# Altium PCB LimePSB-RPCM_1v4.PcbDoc (part 10 of 12)
Units mm, origin at the board's own origin, x right, y up, seen from the top; angles counter-clockwise.
Board outline 170 x 110 mm, 6 copper layers (Top, L2, L3, L4, L5, Bottom), stack 1.583 mm thick; 1007 components, 587 nets, 4215 pads, 1928 vias.
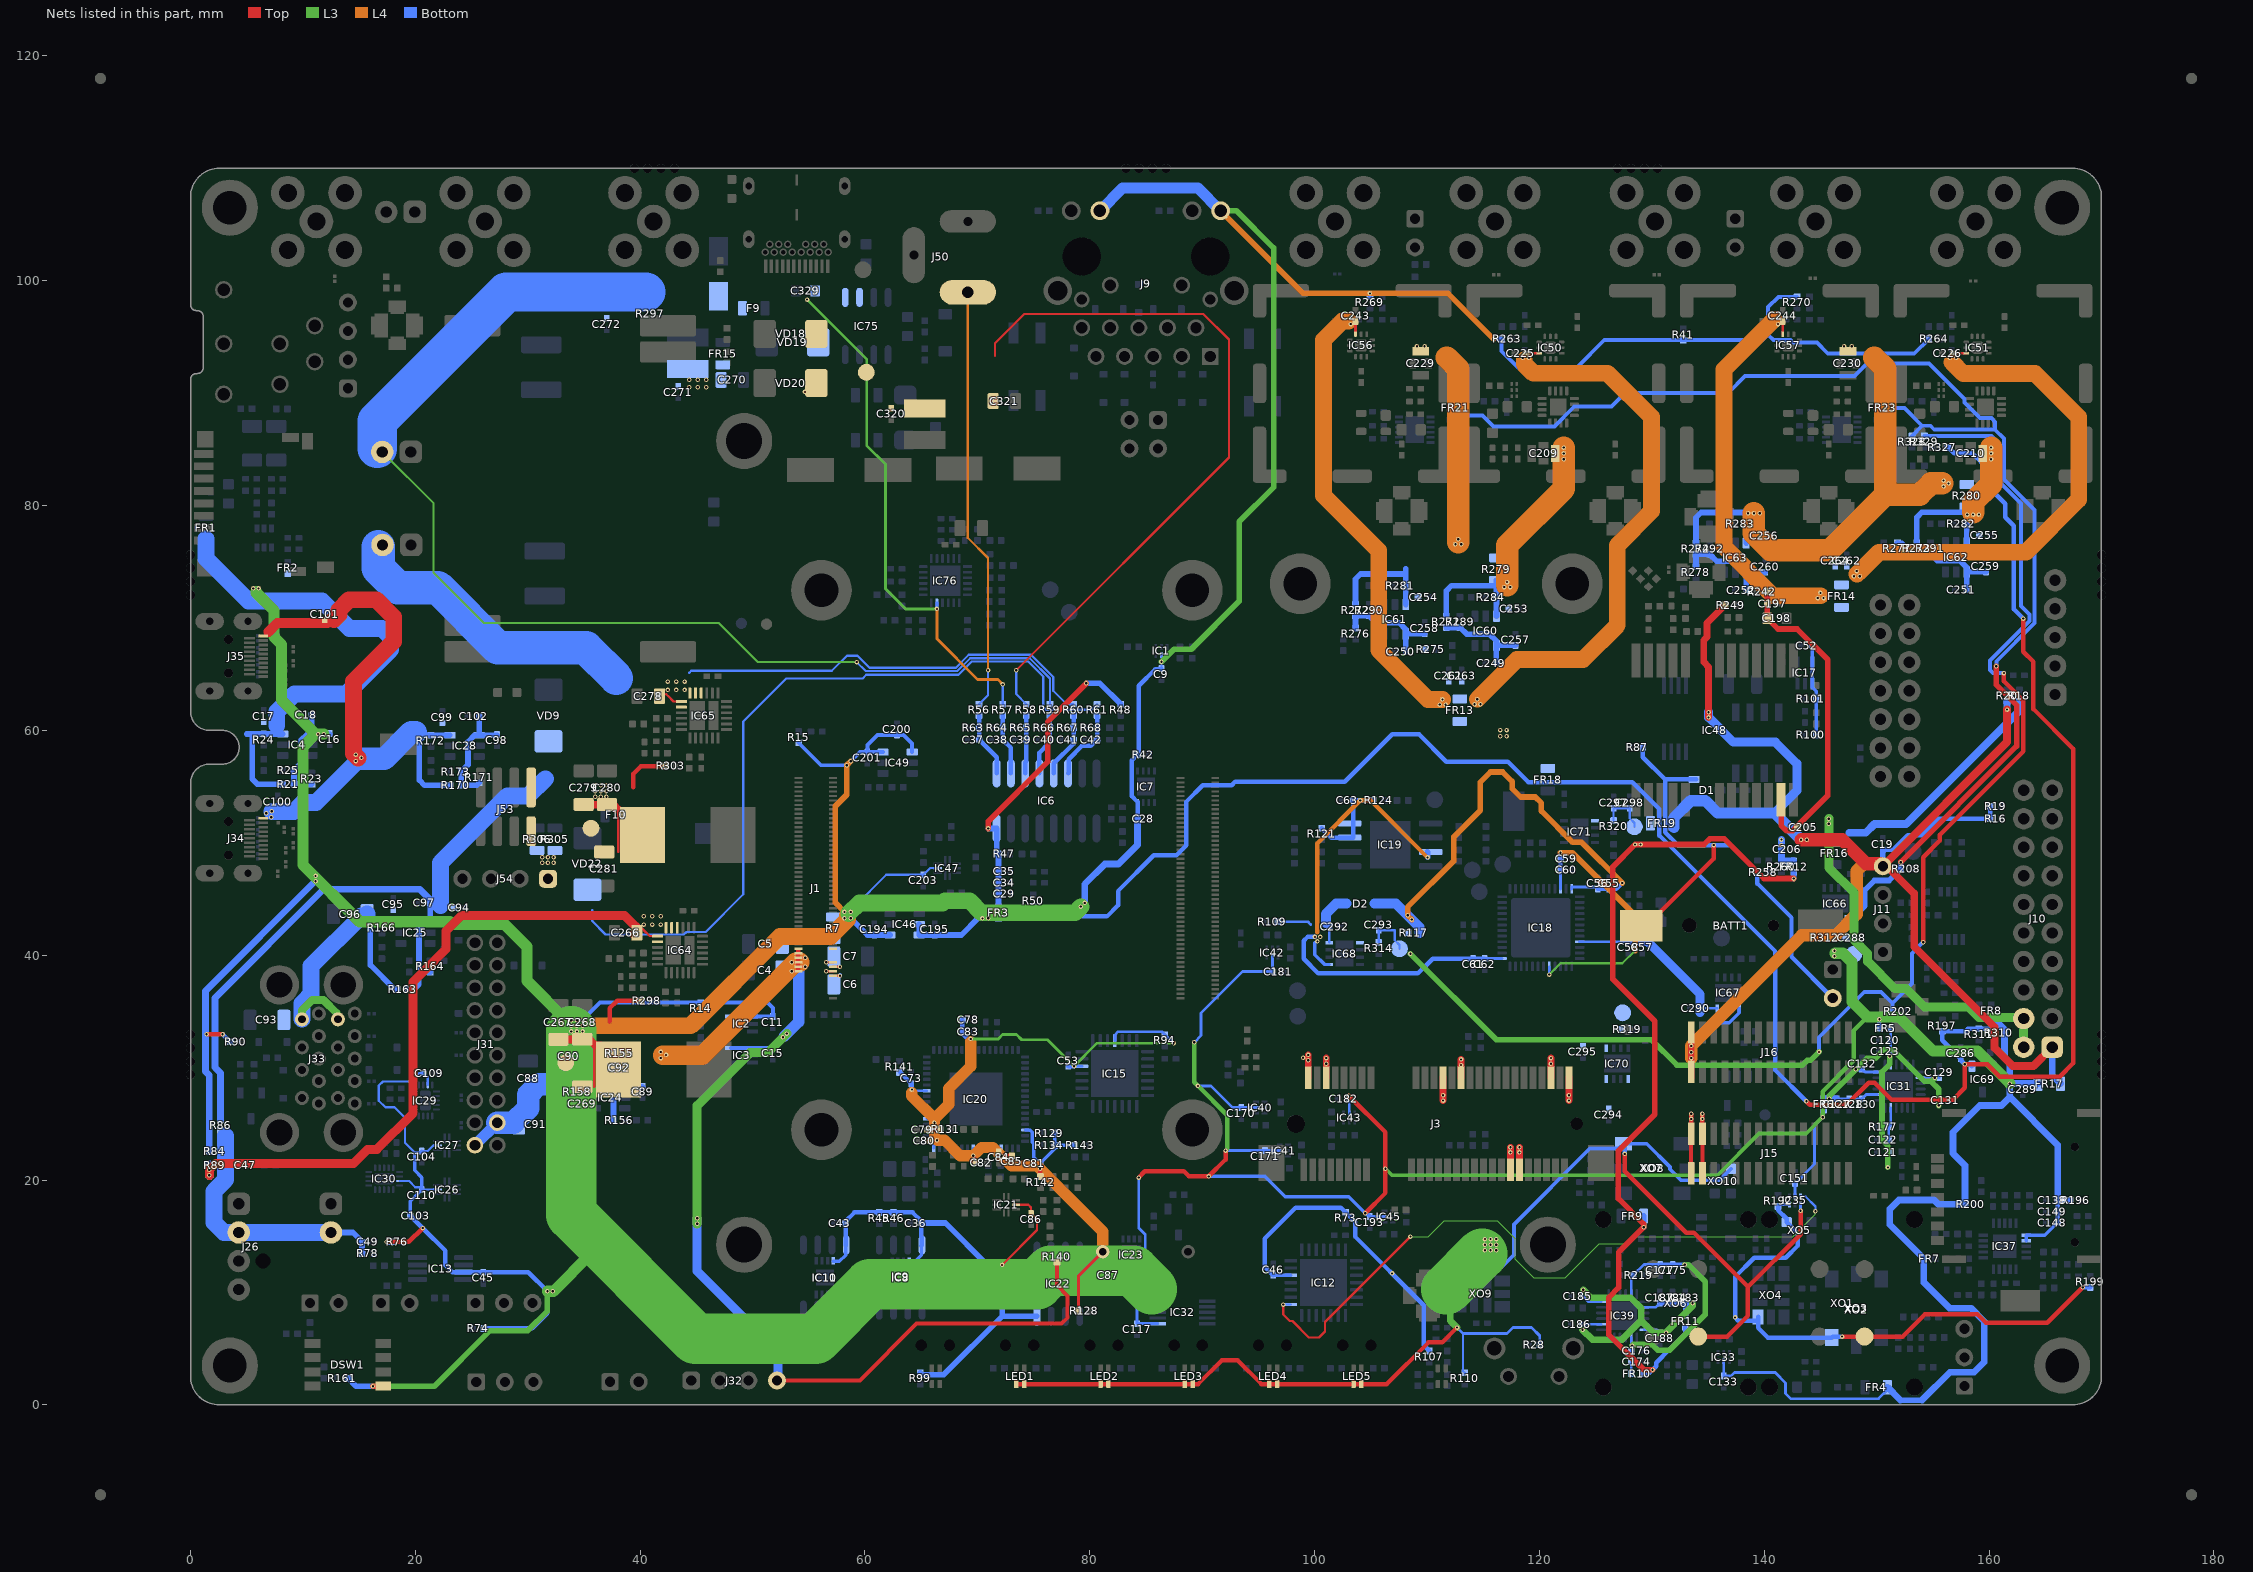
[diagram p14: the nets of this part, all layers, seen from the top]

## Via types
v1: diameter 0.4, hole 0.2, Top to Bottom, tented both sides, 1904 vias
v2: diameter 0.5, hole 0.2, Top to Bottom, tented both sides, 24 vias

## Nets (pads, with @x,y where several pads share a name; then routed paths per layer and width w, separated by ;. In a path a pad name is that pad's centre, name@x,y a point inside that pad or via, vN(x,y) a via of type N, cw(c..) or ccw(c..) an arc to the next point about the centre after c; other vN are vias at no path point) (continued)
VCC1P5: C295.2 IC70.1 J3.6 J3.28 J3.48 R319.2 TP19.1 | length 5.1
  Top w0.6: J3.6@101.025,29.1 v1(101.025,30.35) v1(101.025,30.85) ; J3.28@113.025,29.1 v1(113.025,30.225) v1(113.025,30.725) ; J3.48@121.025,29.1 v1(121.025,30.35) v1(121.025,30.85)
VCC1P8_RPI: C6.2 J1.88 J1.90 | length 1.3
  Top w0.2: v1(56.555,38.575) J1.88@57.165,38.575 ; J1.90@57.165,38.175 v1(57.775,38.175)
  Bottom w0.35: v1(57.775,38.175) C6.2@57.775,38.236
VCC2P5: C293.2 IC68.1 R117.2 R202.2 R314.2 R329.2 TP18.1 | length 121.8
  Top w0.4: v1(154.142,41.158) 154.142,48.717 155.624,50.199 155.624,50.699 163.05,58.125 163.05,62.65 161.325,64.375 v1(161.325,65.1)
  L3 w0.5: v1(108.525,40.125) 116.175,32.475 129.975,32.475 132.225,30.225 143.4,30.225 143.825,30.65 144.125,30.65 v1(144.875,31.4)
  Bottom w0.2: R314.2@105.7,41.125 C293.2@105.7,42.225 107.125,42.225 107.125,41.342 107.55,40.917 TP18.1@107.55,40.575
  Bottom w0.35: v1(144.875,31.4) 144.875,32.703 148.897,36.725 150.4,36.725 151.4,35.725 ; R202.2@151.4,35 151.4,35.725 ; v1(154.142,41.158) 153.15,40.166 153.15,37.475 151.4,35.725 ; R329.2@154.25,86.2 160.2,86.2 160.875,85.525 160.875,82.15 162.825,80.2 162.825,71.075 163.6,70.3 163.6,69.75 160.075,66.225 160.075,65.375 160.35,65.1 v1(161.325,65.1)
VCC2P5_FPGA: C55.2 C56.1 D2.C IC18.24 R117.1 | length 43.3
  L4 w0.5: v1(108.65,43.175) v1(108.275,43.55) 108.275,44.275 112.375,48.375 112.375,50.525 114.75,52.9 114.75,55.4 115.65,56.3 116.725,56.3 117.575,55.45 117.575,54.825 118.325,54.075 119.625,54.075 120.175,53.525 120.175,52.825 122.946,50.054 123.746,50.054 v1(127.375,46.425)
  Bottom w0.25: IC18.24@122.875,45.9 122.875,46.075 125.075,46.075 125.2,45.95 C56.1@125.2,45.9
  Bottom w0.4: C56.1@125.2,45.9 C55.2@126.2,45.9 126.85,45.9 v1(127.375,46.425)
  Bottom w0.9: D2.C@105.35,44.6 107.225,44.6 v1(108.65,43.175) 109.325,42.5 R117.1@109.325,42
VCC2P5_VREF: C286.2 IC69.1 R50.1 R197.2 R310.1 R311.1 R327.2 | length 198.4
  Top w0.4: v1(143.75,27) 144.05,26.7 147.325,26.7 149.288,28.663 149.81,28.663 151.322,27.15 156.8,27.15 157.846,28.196 v1(157.846,30.295) 159.83,30.295 160.95,29.175 166.275,29.175 167.475,30.375 167.475,58.375 163.95,61.9 163.95,66.1 163.05,67 v1(163.05,69.95)
  Bottom w0.4: R50.1@74.976,44.36 75.886,43.45 81.525,43.45 82.513,44.438 82.513,45.713 85.7,48.9 87.707,48.9 88.6,49.793 88.6,53.675 90.05,55.125 92.625,55.125 92.925,55.425 102.682,55.425 106.907,59.65 109.293,59.65 111.718,57.225 117.2,57.225 119.025,55.4 128.275,55.4 130.675,53 130.675,50.65 141,40.325 141,29.75 v1(143.75,27) ; R327.2@156.35,85.2 156.9,84.65 158.52,84.65 159.925,83.245 159.925,81.7 161.45,80.175 161.45,78.95 162.2,78.2 162.2,70.8 v1(163.05,69.95) ; IC69.1@158.475,30.125 158.305,30.295 v1(157.846,30.295) 157.483,30.657 C286.2@157.483,30.795 155.849,32.429 R197.2@155.849,33.239 157.914,33.239 158.125,33.45 R311.1@159.1,33.45 160.05,33.45 R310.1@160.375,33.125
VCC3P0_BATT: BATT1.POSITIVE D1.A2 J40.2 R87.2 R258.2 | length 45
  Top w0.4: BATT1.POSITIVE@129.05,42.625 129.524,42.625 135.5,48.601 v1(135.5,49.8)
  Bottom w0.4: R87.2@129.2,58.5 129.2,57.625 131.175,55.65 ; D1.A2@133.958,55.638 D1.A2@133.758,55.638 133.746,55.65 131.175,55.65 ; R258.2@139.4,47.375 139.4,46.375 142.425,43.35 142.425,39.855 J40.2@146.1,36.18 ; R258.2@139.425,47.375 137,49.8 v1(135.5,49.8) 132.325,49.8 131.175,50.95 131.175,55.65
VCC3P3: BZ1.1 C9.1 C11.1 C16.1 C18.2 C19.1 C28.1 C36.1 C43.1 C45.1 C46.1 C53.1 C57.2 C58.1 C59.2 C60.1 C61.2 C62.1 C63.1 C73.1 C78.2 C79.1 C80.1 C81.1 C82.1 C83.1 C84.1 C85.2 C86.1 C87.1 C103.1 C104.1 C109.1 C110.1 C194.1 C195.1 C200.1 C201.1 C203.1 C267.2 C268.2 C269.2 C290.2 C292.2 C294.2 D1.A1 D2.A DSW1.5 FR2.2 FR3.1 FR17.1 FR19.1 IC1.5 IC2.1 IC2.5 IC4.1 IC7.8 IC8.8 IC9.8 IC10.8 IC11.8 IC12.5 IC13.3 IC15.5 IC15.11 IC18.1 IC18.22 IC18.33 IC18.41 IC19.3 IC19.7 IC19.8 IC20.5 IC20.10 IC20.24 IC20.46 IC20.52 IC20.57 IC20.64 IC21.9 IC22.8 IC23.8 IC26.9 IC27.9 IC29.17 IC30.17 IC46.1 IC46.5 IC46.6 IC47.9 IC49.1 IC49.6 IC67.5 IC67.8 IC68.5 IC68.8 IC70.5 IC70.8 J1.78 J3.2 J3.24 J3.39 J3.41 J3.52 J9.15 J9.17 J10.1 J11.4 J15.14 J15.15 J16.15 L9.2 LED1.1 LED1.2 LED2.1 LED2.2 LED3.1 LED3.2 LED4.1 LED4.2 LED5.1 LED5.2 R7.2 R14.1 R15.1 R16.2 R19.2 R20.1 R21.2 R23.2 R25.1 R28.1 R41.1 R42.2 R45.2 R46.2 R73.2 R74.2 R76.1 R84.1 R90.1 R94.2 R99.2 R107.2 R109.1 R110.2 R121.2 R124.2 R128.2 R129.1 R131.2 R134.2 R141.2 R142.2 R143.2 R161.2 R249.1 R263.2 R264.2 R269.2 R270.2 R298.1 TP14.1 | length 1065.9
  Top w0.2: 35.925,28.3 35.925,32.075 ; v1(72.2,12.45) 75.3,15.55 75.3,16.5 74.975,16.825 74.925,16.825 74.775,16.975 C86.1@74.775,17.025 74.775,17.55 74.525,17.8 IC21.9@73.425,17.8
  Top w0.3: C80.1@65.775,23.55 v1(66.4,23.55) ; R131.2@66.675,24.5 R131.2@66.699,24.524 ; R128.2@79,8.35 79,11.475 BZ1.1@81.15,13.625
  Top w0.35: J15.15@133.5,20.625 J15.15@133.5,24.125 ; J15.14@134.5,20.625 J15.14@134.5,24.125
  Top w0.4: v1(1.425,32.975) v1(2.85,32.975) ; v1(17.45,14.5) 19.425,14.5 v1(20.65,15.725) ; 37.275,34.075 37.275,35.275 37.948,35.948 40.084,35.948 R298.1@40.091,35.948 R298.1@40.098,35.948 ; C79.1@65.575,24.475 66.65,24.475 R131.2@66.675,24.5 ; v1(69.625,22.15) 69.625,21.75 69.725,21.65 69.725,21.6 69.775,21.55 C82.1@69.825,21.55 ; C84.1@71.875,22.525 71.925,22.475 71.925,22.35 v1(72.125,22.15) C85.2@73.075,22.15 ; LED1.1@73.46,1.853 LED1.2@74.16,1.853 ; 73.875,1.85 80.96,1.85 LED2.1@80.96,1.853 LED3.1@88.46,1.853 89.628,1.853 91.725,3.95 93.175,3.95 95.272,1.853 103.175,1.853 ; v1(75.575,21) 75.575,20.356 R142.2@75.625,20.306 ; LED5.1@103.46,1.853 104.16,1.853 LED5.2@104.16,1.85 ; LED5.2@104.308,1.85 106.425,1.85 110.125,5.55 111.35,5.55 v1(112.675,6.875) ; J15.15@133.5,24.125 v1(133.5,25.437) v1(133.5,25.9) ; J15.14@134.5,24.125 v1(134.5,25.437) v1(134.5,25.9)
  Top w0.5: v1(16.225,1.65) DSW1.5@17.14,1.65
  Top w0.6: J3.2@99.425,29.1 v1(99.425,31.125) ; v1(111.425,27.075) J3.24@111.425,29.1 ; J3.39@117.425,20.9 v1(117.425,22.925) ; J3.41@118.225,20.9 v1(118.225,22.925) ; v1(122.625,27.075) J3.52@122.625,29.1 ; J16.15@133.5,29.1 J16.15@133.5,29.625 v1(133.5,31.375) J16.15@133.5,33.125 ; v1(135.05,61.15) v1(135.05,61.625) 135.05,65.65 134.625,66.075 134.625,68.025 134.9,68.3 134.9,69.55 R249.1@136.5,71.15
  Top w0.7: C267.2@33.05,32.525 33.063,32.512 35.162,32.512 35.175,32.5 35.5,32.5 35.925,32.075 36.025,31.975 36.425,31.975 38.075,30.325 L9.2@38.075,29.825 ; J11.4@150.495,47.97 J11.4@150.605,47.97 ; J11.4@150.55,47.914 J11.4@150.605,47.97 ; v1(161.6,61.85) 161.6,58.964 J11.4@150.605,47.97 ; J10.1@165.62,31.82 163.95,30.15 162.1,30.15 160.5,31.75 160.5,33.6 153.35,40.75 153.35,45.475 150.855,47.97 J11.4@150.605,47.97
  Top w1: J11.4@150.339,48.125 150.495,47.97 J11.4@150.55,47.914
  Top w1.2: v1(143.275,50.275) v1(143.775,50.275) 146.934,50.275 149.084,48.125 J11.4@150.339,48.125
  L3 w0.2: v1(120.875,38.275) 121.875,39.275 127.375,39.275 v1(128.525,40.425)
  L3 w0.25: v1(69.4,32.55) 71.85,32.55 72.25,32.95 73.475,32.95 73.95,32.475 76.25,32.475 v1(78.6,30.125) 80.65,32.175 v1(87.45,32.175)
  L3 w0.5: v1(16.225,1.65) 21.7,1.65 26.65,6.6 30,6.6 31.75,8.35 v1(31.75,10.1) ; v1(32.225,10.1) v1@32.275,10.1 ; v1(86.375,66.106) 87.494,67.225 89.025,67.225 93.3,71.5 93.3,78.575 96.35,81.625 96.35,102.925 93.05,106.225 J9.15@91.64,106.225
  L3 w0.6: 112.075,9.2 112.075,7.475 v1(112.675,6.875)
  L3 w1: 5.85,72.35 5.85,72.25 7.425,70.675 7.425,68.3 8.1,67.625 8.1,62.7 11.125,59.675 ; v1(11.85,59.675) v1(11.35,59.675) 11.125,59.675 ; v1(31.75,10.1) v1(32.225,10.1) ; v1@32.275,10.1 35.675,13.5 ; 33.55,34.1 29.925,37.725 29.925,40.75 27.95,42.725 23.3,42.725 23.05,42.975 15.05,42.975 10,48.025 10,58.55 11.125,59.675
  L3 w1.5: 58.55,43.7 59.5,44.65 66.9,44.65 67.1,44.85 69.3,44.85 70.375,43.775 78.675,43.775 v1@79.212,44.312
  L3 w4.5: v1(33.875,33.225) 33.875,16.925 44.925,5.875 55.6,5.875 60.45,10.725 72.2,10.725 75.325,10.725 76.513,11.913 83.888,11.913 85.525,10.275 ; 111.725,10.275 114.9,13.45
  L4 w0.4: 100.25,42.025 100.25,49.975 v1(104.05,53.775) 104.975,53.775 v1(110.05,48.7)
  L4 w0.5: v1(58.175,43.85) 57.35,44.675 57.35,53.25 58.375,54.275 v1(58.375,56.9) v1(58.725,57.25) ; J9.15@91.64,106.225 98.99,98.875 v1(104.925,98.875) 111.875,98.875 v1(115.925,94.825) ; v1(121.875,49.125) 122.925,49.125 128.525,43.525 v1(128.525,40.9) v1(128.525,40.425)
  L4 w1: 64.15,27.775 64.15,27.475 66.175,25.45 ; 69.4,32.3 69.4,30.1 67.45,28.15 67.45,26.725 66.175,25.45 ; BZ1.1@81.15,13.625 81.15,15.425 v1(75.575,21) 75.325,21.25 73.025,21.25 v1(72.125,22.15) 71.375,22.9 70.375,22.9 v1(69.625,22.15) 68.475,22.15 67.075,23.55 v1(66.4,23.55) 66.175,23.775 v1(66.175,25.1) 66.175,25.45 ; J11.4@150.435,47.799 J11.4@150.55,47.914
  L4 w1.1: v1(133.5,30.85) v1(133.5,31.925) 143.35,41.775 146.35,41.775 148.225,43.65 148.225,47.502 148.869,48.146 150.373,48.146 J11.4@150.55,47.97
  L4 w1.5: 34.075,33.725 v1(34.875,33.725) 44.5,33.725 52.425,41.65 56.935,41.65 58.45,43.165 58.45,43.55
  Bottom w0.2: IC30.17@18.6,19.925 19.425,19.925 20,19.35 20.375,19.35 C110.1@20.575,19.15 IC26.9@21.975,19.15 ; 19.95,22.45 19.075,23.325 19.075,25.55 18.15,26.475 17.334,26.475 16.75,27.059 16.75,28.4 17.125,28.775 19.625,28.775 20.35,29.5 C109.1@20.75,29.5 20.8,29.5 20.95,29.35 20.95,29.3 21.1,29.15 IC29.17@21.1,28.452 ; C104.1@20.575,22.575 21.1,22.575 21.6,23.075 IC27.9@21.975,23.075 ; 59.05,44.3 61.9,47.15 C203.1@65.2,47.15 65.2,47.2 65.35,47.35 65.4,47.35 65.8,47.75 IC47.9@66.473,47.75 ; IC20.5@65.5,25.45 65.825,25.45 v1(66.175,25.1) ; IC20.64@66.125,22.825 66.125,23.275 v1(66.4,23.55) ; v1(69.4,32.55) 69.625,32.325 IC20.24@69.625,31.575 ; v1(69.625,22.15) IC20.57@69.625,22.825 ; v1(72.125,22.15) IC20.52@72.125,22.825 ; C9.1@86.375,65.5 v1(86.375,66.106) IC1.5@86.375,66.712 ; IC68.8@101.3,41.125 C292.2@101.3,42.525 ; 113.2,6.35 113.2,3 R110.2@113.35,2.85 ; v1(120.875,38.275) IC18.41@120.875,39 ; C290.2@134.425,35.275 IC67.8@135.825,35.275
  Bottom w0.25: v1(64.175,28.05) 64.275,27.95 IC20.10@65.5,27.95 ; v1(78.6,30.125) IC15.5@79.3,30.125 ; IC15.11@82.225,32.4 82.231,32.406 82.231,32.906 82.525,33.2 86.4,33.2 R94.2@86.675,32.925 86.85,32.75 86.875,32.75 v1(87.45,32.175) ; R109.1@96.75,42.975 99.4,42.975 99.65,42.725 ; v1(112.675,6.875) 113.2,6.35 117.119,6.35 117.644,6.875 119.3,6.875 120.025,6.15 R28.1@120.025,5.355 ; C62.1@115.125,39.7 IC18.1@116.675,39.7 ; IC18.22@121.875,45.9 C60.1@121.875,47.6 ; IC18.33@123.575,41.2 C58.1@127.9,41.2
  Bottom w0.3: C103.1@19.55,16.825 19.55,18.125 C110.1@20.425,19 ; C110.1@20.575,19.15 20.575,20.225 19.95,20.85 19.95,22.45 20.475,22.45 20.575,22.55 C104.1@20.575,22.575 ; IC11.8@57.175,12.775 57.725,12.775 58.273,13.323 IC10.8@58.273,14.168 ; IC9.8@63.925,12.775 64.475,12.775 65.023,13.323 IC8.8@65.023,14.168 ; IC20.46@74.25,24.45 74.674,24.45 74.875,24.249 74.875,23.375 75.025,23.225 75.025,22.025 C81.1@75.425,21.625 ; C81.1@75.575,21.475 76.875,22.775 R134.2@76.875,23.075 ; R129.1@76.875,24.175 R134.2@76.875,23.075 ; R143.2@78.65,23.1 76.9,23.1 R134.2@76.875,23.075 ; BZ1.1@81.15,13.625 81.15,12.475 81.525,12.1 81.575,12.1 81.725,11.95 IC23.8@82.95,11.95 ; C46.1@96.325,11.525 IC12.5@97.875,11.525 ; 100.025,41.1 100.025,40.05 100.9,39.175 IC68.5@101.3,39.175 ; 135.85,34 136.9,34 137.775,34.875 IC67.5@137.775,35.275
  Bottom w0.35: v1(34.875,34.225) 36.425,35.775 51.325,35.775 51.8,35.3 C11.1@51.8,34.55 IC2.5@48.06,34.551 ; R15.1@54.1,58.9 56.1,56.9 v1(58.375,56.9) 59.55,58.075 C201.1@60.213,58.075 ; IC49.6@61.6,58.075 C201.1@60.213,58.075 ; IC49.1@64.2,58.075 64.2,58.825 63.425,59.6 C200.1@62.85,59.6 61.125,59.6 60.213,58.688 C201.1@60.213,58.075 ; R269.2@104.925,98.575 v1(104.925,98.875) ; v1(115.925,94.825) R263.2@116.643,94.825 116.643,93.732 118.1,92.275 123.325,92.275 125.768,94.718 R41.1@132.806,94.718 139.843,94.718 140.325,95.2 ; R270.2@142.925,98.575 141.25,98.575 140.325,97.65 140.325,95.2 ; R264.2@154.643,94.825 153.343,93.525 145.65,93.525 144.675,94.5 142.565,94.5 142.347,94.718 140.807,94.718 140.325,95.2
  Bottom w0.4: v1@1.25,32.975 v1@1.325,32.975 ; v1(2.85,32.975) R90.1@3.525,32.3 ; v1(17.45,14.5) R76.1@17.875,14.5 ; C103.1@19.55,16.825 v1(20.65,15.725) 22.675,13.7 22.675,12.425 23.3,11.8 IC13.3@24.3,11.8 C45.1@26.05,11.8 30.05,11.8 v1(31.75,10.1) ; R74.2@26.075,6.8 30.4,6.8 31.75,8.15 v1(31.75,10.1) ; v1(32.225,10.1) v1(31.75,10.1) ; IC10.8@58.273,14.168 58.292,14.187 58.292,14.955 58.273,14.974 58.273,16.327 59.06,17.115 R45.2@61.27,17.115 R46.2@62.54,17.115 64.235,17.115 65.023,16.327 65.023,14.974 65.042,14.955 65.042,14.187 IC8.8@65.023,14.168 ; R141.2@63.15,29.575 63.25,29.475 63.25,29.45 64.025,28.675 64.075,28.675 64.125,28.625 C73.1@64.125,28.575 64.175,28.525 v1(64.175,28.05) ; C78.2@68.675,34.25 68.675,33.025 69.15,32.55 v1(69.4,32.55) ; v1(75.575,21) C81.1@75.575,21.475 ; C53.1@78.1,30.125 v1(78.6,30.125) ; C28.1@84.25,52.149 IC7.8@84.25,53.6 84.25,53.638 83.75,54.138 83.75,57.351 R42.2@84.25,57.851 84.35,57.951 84.35,63.97 85.843,65.463 86.338,65.463 C9.1@86.375,65.5 ; C46.1@96.325,11.525 95.571,12.279 95.571,14.796 98.325,17.55 102.325,17.55 R73.2@102.75,17.125 103.6,16.275 103.6,14.975 109.7,8.875 109.7,5.3 R107.2@110.2,4.8 ; v1(100.025,41.625) 99.375,41.625 99.025,41.275 99.025,39.675 100.325,38.375 109.175,38.375 110.5,39.7 C61.2@114.1,39.7 C62.1@115.125,39.7 ; R121.2@100.635,51.29 101.465,50.46 IC19.7@103.125,50.46 103.425,50.46 C63.1@103.425,53.775 v1(104.05,53.775) R124.2@105.225,53.775 ; C60.1@121.875,47.6 C59.2@121.875,48.6 v1(121.875,49.125) ; C19.1@150.55,49.375 151.45,49.375 152.75,50.675 154.025,50.675 155.5,52.15 R16.2@160.1,52.15 R19.2@160.1,53.25
  Bottom w0.5: R21.2@9.2,55.213 R25.1@9.2,56.438 9.81,57.048 9.81,59.074 10.4,59.664 10.4,59.673 C16.1@12.385,59.673 ; R21.2@9.213,55.2 R23.2@10.8,55.2 ; IC4.1@10.8,59.675 C18.2@10.8,61.373 ; R161.2@14.012,2.374 14.736,1.65 v1(16.225,1.65) ; v1(58.725,43.3) 60.225,41.8 C194.1@60.838,41.8 IC46.1@62.225,41.8 ; IC46.5@64.825,42.75 IC46.6@64.825,41.8 C195.1@66.212,41.8 68.575,41.8 70.06,43.285 v1(70.968,43.285) FR3.1@71.876,43.285 ; R99.2@64.91,2.853 65.088,2.675 67,2.675 72.2,7.875 ; C36.1@65.025,16.175 67.15,16.175 70.875,12.45 v1(72.2,12.45) 72.2,7.875 ; IC22.8@75.295,7.875 72.2,7.875 ; IC19.3@110.025,49.19 110.05,49.165 v1(110.05,48.7) ; J11.4@150.55,47.914 C19.1@150.55,49.375
  Bottom w0.6: R84.1@1.675,22.578 1.675,29.3 1.325,29.65 1.325,32.975 1.325,36.825 11.125,46.625 v1(11.125,47.05) ; v1(79.2,44.325) 79.55,44.675 79.55,46.325 81.338,48.112 82.562,48.112 84.25,49.8 C28.1@84.25,52.149 ; C58.1@127.9,41.2 C57.2@128.9,41.2 ; v1(161.6,61.85) R20.1@161.6,62.6 ; J10.1@165.62,31.82 165.62,29.311 FR17.1@166.35,28.581
  Bottom w0.8: C57.2@128.9,41.2 C57.2@129.15,41.2 129.625,41.2 134.3,36.525 134.3,34.925 ; v1(135.05,61.625) v1(135.05,61.15) 137.25,58.95 141,58.95 142.9,57.05 142.9,54.65 140.9,52.65
  Bottom w0.9: 101,42.875 101,43.675 101.925,44.6 D2.A@102.85,44.6
  Bottom w1: J9.17@80.9,106.225 82.925,108.25 89.615,108.25 J9.15@91.64,106.225 ; FR19.1@131.975,51.375 131.975,52.25 133.463,53.738 D1.A1@133.758,53.738 134.762,53.738 135.85,52.65 140.9,52.65 v1(143.275,50.275) 143.525,50.275
  other v1: 106.888,11.688 115.15,13.75 115.65,13.75 116.15,13.75 115.15,14.25 115.65,14.25 116.15,14.25 115.15,14.75 115.65,14.75 116.15,14.75 117.425,22.45 118.225,22.45 111.425,27.55 122.625,27.55 99.425,30.65 98.975,30.875 34.375,33.225 34.875,33.225 33.875,33.725 34.375,33.725 33.875,34.225 34.375,34.225 100.25,41.225 100.5,41.625 70.45,43.275 58.175,43.3 58.725,43.85 79.55,44.65 11.125,46.575 5.575,72.625 6.05,72.625
VCC3P3_CLK: C117.2 C133.2 C138.2 C148.1 C149.1 C151.2 C170.2 C171.2 C181.2 C182.2 C193.2 C288.2 C289.2 FR4.1 FR5.1 FR6.1 FR7.1 FR8.2 FR17.2 FR21.2 FR23.2 IC32.6 IC33.5 IC35.5 IC37.16 IC37.17 IC40.5 IC41.5 IC42.5 IC43.5 IC45.5 IC66.1 R196.2 R200.2 R208.1 R310.2 R312.2 R328.1 TP16.1 | length 387.6
  Top w0.4: v1(84.35,20.225) 84.9,20.775 88.375,20.775 88.825,20.325 v1(90.575,20.325) 92.075,21.825 v1(92.075,22.625) ; v1(103.05,27.5) 106.3,24.25 v1(106.3,21) 106.3,18.85 v1(104.5,17.05)
  Top w0.5: v1(152.15,48.275) 152.15,48.303 162.45,58.603 162.45,62.25 160.65,64.05 v1(160.65,65.7)
  L3 w0.35: v1(106.3,21) 106.875,20.425 135.85,20.425 139.55,24.125 143.735,24.125 v1(145.199,25.589)
  L3 w0.4: v1(89.3,32.25) 89.3,28.7 v1(89.625,28.375) 92.225,25.775 92.225,22.775 v1(92.075,22.625) ; v1(145.199,25.589) 145.199,27.874 147.975,30.65 147.975,33.301 149.174,34.501
  L3 w1: 146.3,40.175 147,40.175 147.807,39.368 147.807,35.868 149.174,34.501 151.999,34.501 155.025,31.475 158.956,31.475 v1(161.85,28.581)
  Bottom w0.25: v1(84.35,20.225) 84.35,15.747 84.925,15.172 84.925,9.925 84.2,9.2 C117.2@84.2,7.225 IC32.6@86.05,7.225 ; v1(89.3,32.25) 89.9,32.85 89.9,34.859 93.591,38.55 C181.2@96.25,38.55 IC42.5@96.25,39.863 ; v1(89.625,28.375) 90.775,28.375 92.7,26.45 C170.2@93.487,26.45 IC40.5@94.8,26.45 ; v1(92.075,22.625) C171.2@95.587,22.625 IC41.5@96.9,22.625 ; IC43.5@103.075,25.913 C182.2@103.075,27.225 ; C193.2@104.912,16.75 IC45.5@106.225,16.75 ; IC33.5@136.4,3.887 C133.2@136.4,2.575 137.05,2.575 137.35,2.875 140.975,2.875 141.9,1.95 141.9,1 142.35,0.55 150.161,0.55 150.95,1.339 FR4.1@150.95,1.575 ; IC35.5@142.736,18.548 C151.2@142.736,19.675 142.736,19.725 142.861,19.85 142.911,19.85 144.475,21.414 144.475,24.865 v1(145.199,25.589)
  Bottom w0.3: v1(90.575,20.325) 95.575,20.325 97.4,18.5 103.05,18.5 v1(104.5,17.05) 104.527,17.05 104.677,16.9 104.812,16.9 104.912,16.8 C193.2@104.912,16.75 ; IC37.17@163.3,14.6 IC37.16@163.3,15.1 164.024,15.1 164.95,15.1 166.05,16.2 C148.1@166.1,16.2
  Bottom w0.35: FR21.2@113.015,88.686 113.676,88.025 114.925,88.025 115.9,87.05 121.325,87.05 123.1,88.825 126.4,88.825 127.6,90.025 136.8,90.025 138.3,91.525 148.034,91.525 149.159,92.65 154.65,92.65 157.8,89.5 157.8,89.175 159.2,87.775 160.2,87.775 160.525,87.45 160.525,86.75 ; FR23.2@151.015,88.686 152.464,88.686 154.05,87.1 ; R328.1@153.15,86.2 154.05,87.1 ; v1(160.65,65.7) 160.65,66.15 164.05,69.55 164.05,79.611 161.325,82.336 161.325,85.95 160.525,86.75 ; 154.05,87.1 154.775,87.1 155.125,86.75 160.525,86.75
  Bottom w0.4: v1(145.199,25.589) 145.199,26.042 cw(c145.458,26.042) FR6.1@145.275,26.225 ; FR5.1@150.25,33.5 v1(150.251,34.3) ; C148.1@166.1,16.2 C149.1@166.1,17.2 C138.2@166.1,18.2 R196.2@167.225,18.2